# Altium PCB DeejWithKeypad.PcbDoc
Units mm, origin at the board's own origin, x right, y up, seen from the top; angles counter-clockwise.
Board outline 187.4 x 94.4 mm, 2 copper layers (Top Layer, Bottom Layer), stack 1.58 mm thick; 117 components, 85 nets, 411 pads, 108 vias.
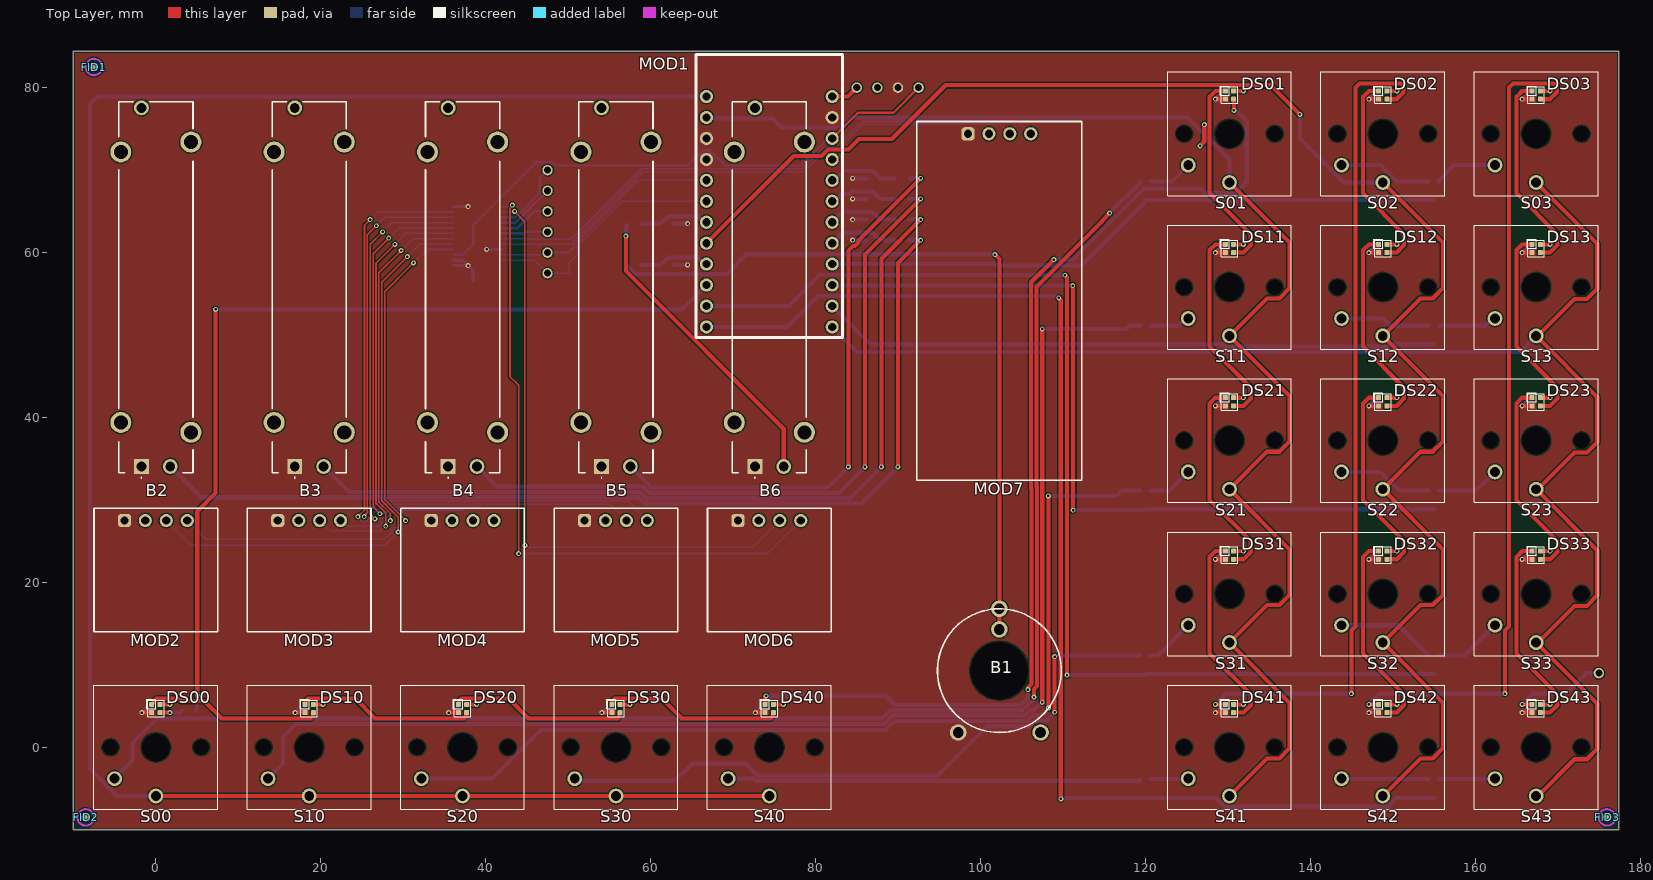
[diagram p0: Top Layer view]
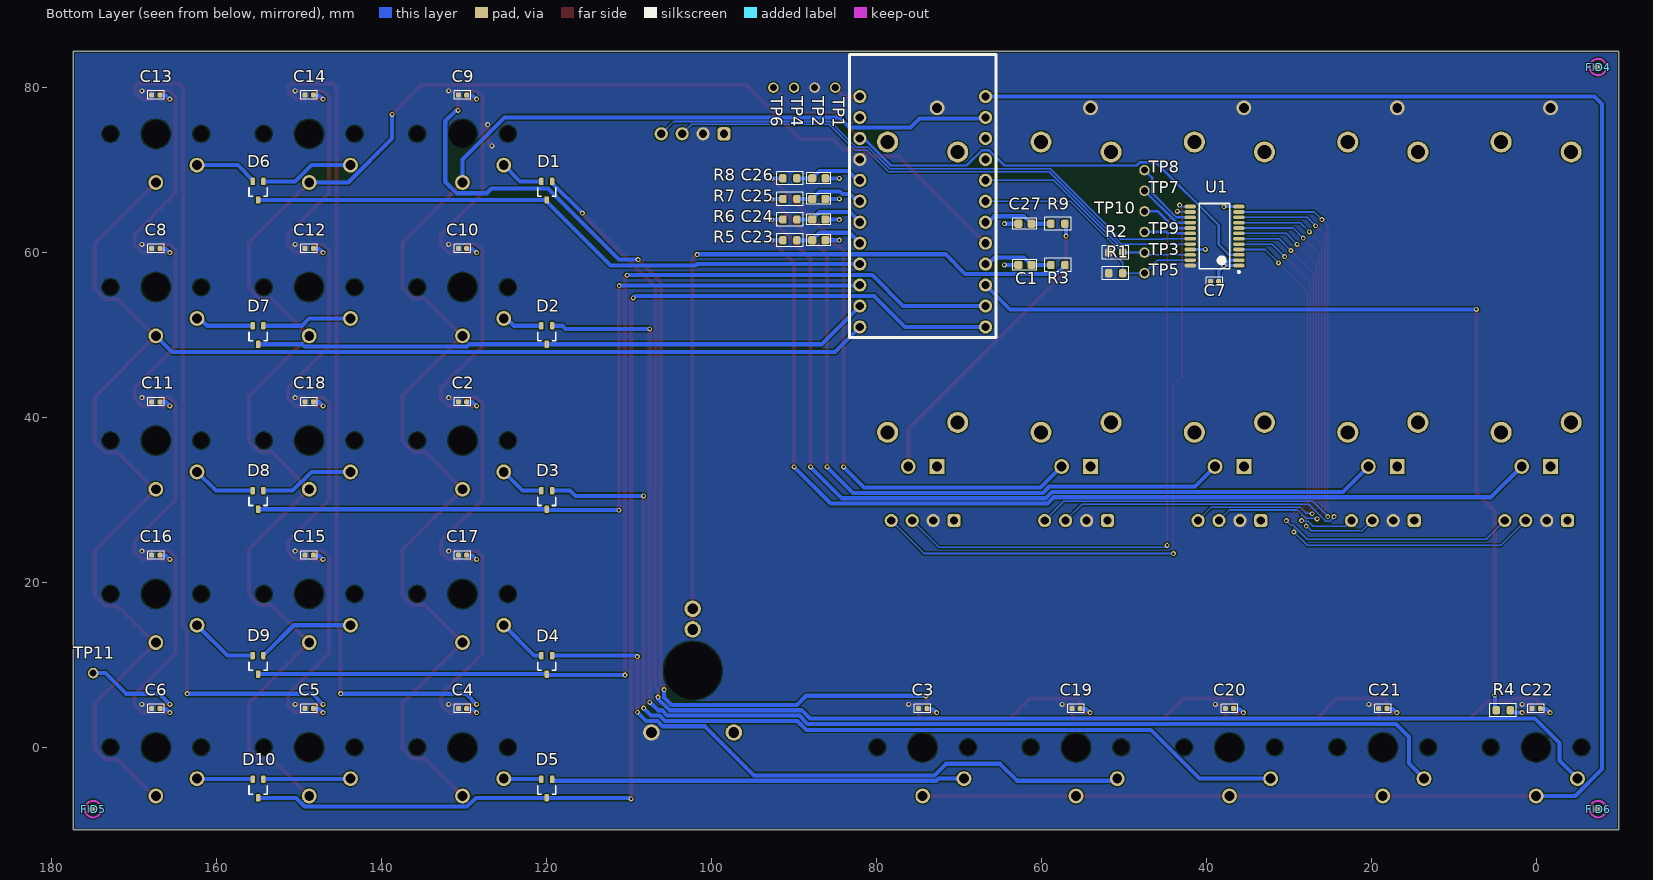
[diagram p1: Bottom Layer view, seen from below]
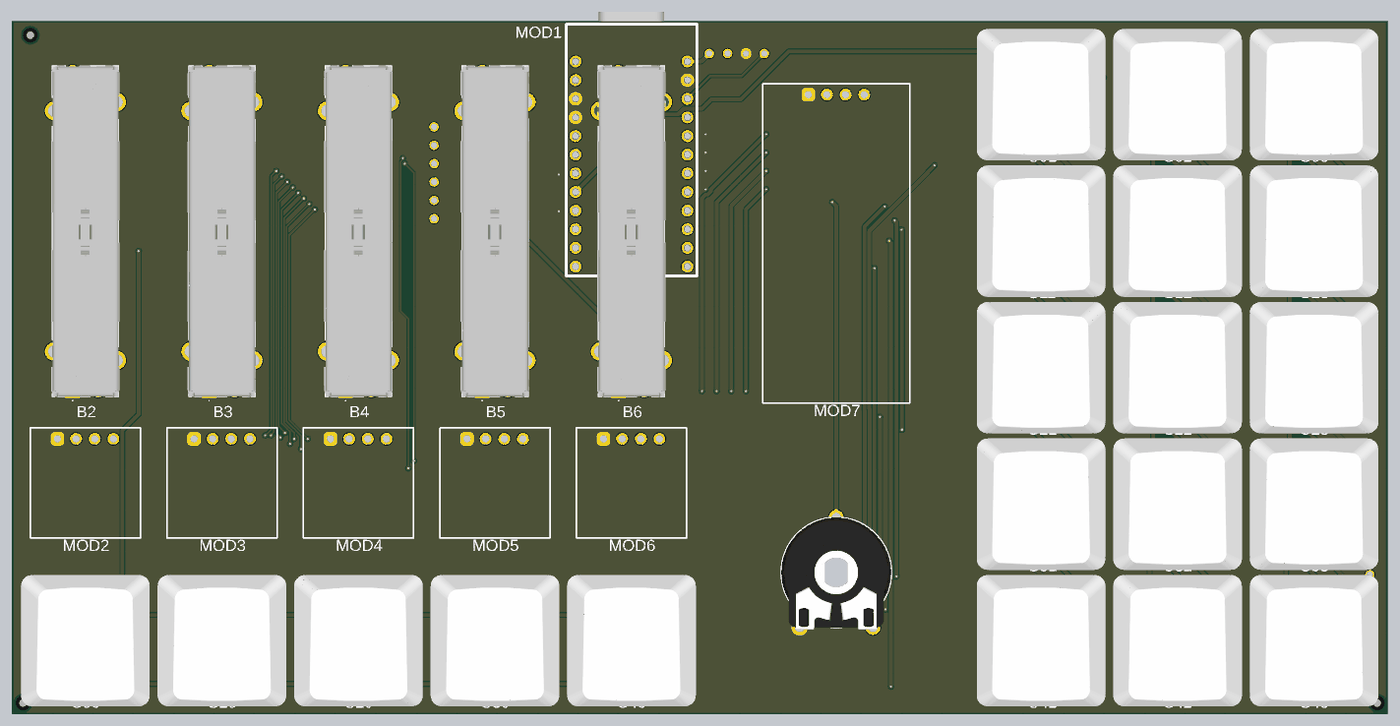
[diagram p2: 3D render of the assembled board from above, using the file's embedded part models]
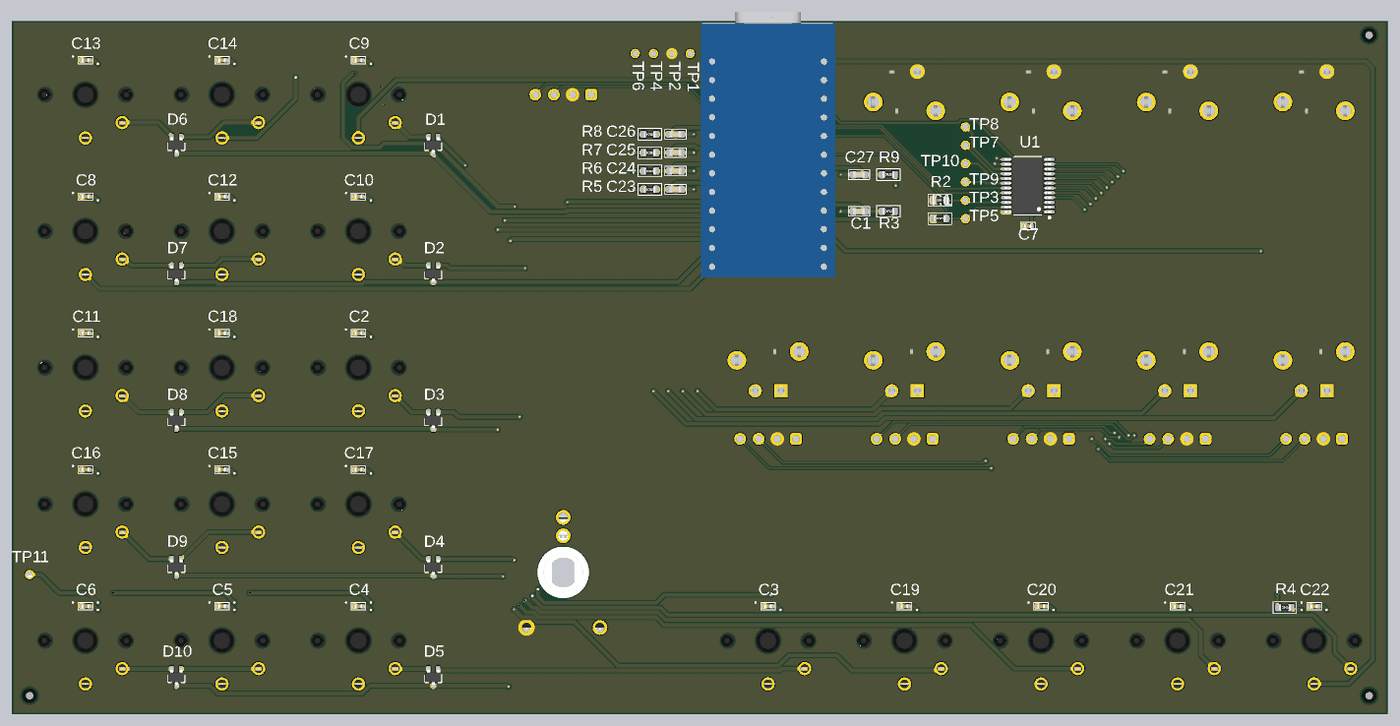
[diagram p3: 3D render of the assembled board from below, using the file's embedded part models]

## Layer stack, top to bottom
Top Solder: solder mask 0.01, Solder Resist, Dk 3.5
Top Layer: signal copper 0.035
Dielectric 2: dielectric 1.51, FR-4, Dk 4.8
Bottom Layer: signal copper 0.035
Bottom Solder: solder mask 0.01, Solder Resist, Dk 3.5

## Board outline
-10,-10 -10,84.4 177.4,84.4 177.4,-10

## Design rules (kind name [scope] priority, off if disabled: settings)
BoardOutlineClearance [All] p1: gap=0.2 ignorepadtopadclearanceinfootprint=FALSE
Clearance [All] p1: gap=0.15 ignorepadtopadclearanceinfootprint=FALSE
DiffPairsRouting [All] p1: maxlimit=0.22 minlimit=0.22 mostfreqgap=0.22 toplayer_minwidth=0.28 toplayer_maxwidth=0.28 toplayer_prefwidth=0.28 bottomlayer_minwidth=0.28 bottomlayer_maxwidth=0.28 bottomlayer_prefwidth=0.28 maxuncoupledlength=12.7
PolygonConnect [All] p1: connectstyle=Direct reliefconductorwidth=0.254 reliefentries=4 polygonreliefangle="90 Angle" airgapwidth=0.254
RoutingVias [All] p1: holewidth=0.3 width=0.6 viastyle="Through Hole" minholewidth=0.3 minwidth=0.6 maxholewidth=0.3 maxwidth=0.6
SolderMaskExpansion [All] p1: expansion=0.102 istentingtop=FALSE
Width [All] p1: maxlimit=2.5 minlimit=0.15 preferedwidth=0.3 minimp=50.000000 maximp=50.000000 favimp=50.000000
29 further rules are at their usual default settings.

## Components (designator, comment, footprint, x,y, rotation, side; value= is the part's Value field where it differs from the comment)
B1 "Potentiometer" PT15NVXX 102.3,9.3 r0 top locked
B2 "Potentiometer" PTA30432010CIB104 0,55.8 r90 top locked
B3 "Potentiometer" PTA30432010CIB104 18.6,55.8 r90 top locked
B4 "Potentiometer" PTA30432010CIB104 37.2,55.8 r90 top locked
B5 "Potentiometer" PTA30432010CIB104 55.8,55.8 r90 top locked
B6 "Potentiometer" PTA30432010CIB104 74.4,55.8 r90 top locked
C1 "Capacitor_Ceramic" CAPC1608N 62,58.5 r180 bottom value=1uF
C2 "Capacitor_Ceramic" CAPC1005L 130.2,41.9 r180 bottom value=0.1uF
C3 "Capacitor_Ceramic" CAPC1005L 74.4,4.7 r0 bottom value=0.1uF
C4 "Capacitor_Ceramic" CAPC1005L 130.2,4.7 r0 bottom value=0.1uF
C5 "Capacitor_Ceramic" CAPC1005L 148.8,4.7 r0 bottom value=0.1uF
C6 "Capacitor_Ceramic" CAPC1005L 167.4,4.7 r0 bottom value=0.1uF
C7 "Capacitor_Ceramic" CAPC1005L 39,56.5 r0 bottom value=0.1uF
C8 "Capacitor_Ceramic" CAPC1005L 167.4,60.5 r0 bottom value=0.1uF
C9 "Capacitor_Ceramic" CAPC1005L 130.2,79.1 r0 bottom value=0.1uF
C10 "Capacitor_Ceramic" CAPC1005L 130.2,60.5 r0 bottom value=0.1uF
C11 "Capacitor_Ceramic" CAPC1005L 167.4,41.9 r0 bottom value=0.1uF
C12 "Capacitor_Ceramic" CAPC1005L 148.8,60.5 r0 bottom value=0.1uF
C13 "Capacitor_Ceramic" CAPC1005L 167.4,79.1 r0 bottom value=0.1uF
C14 "Capacitor_Ceramic" CAPC1005L 148.8,79.1 r0 bottom value=0.1uF
C15 "Capacitor_Ceramic" CAPC1005L 148.8,23.3 r0 bottom value=0.1uF
C16 "Capacitor_Ceramic" CAPC1005L 167.4,23.3 r0 bottom value=0.1uF
C17 "Capacitor_Ceramic" CAPC1005L 130.2,23.3 r0 bottom value=0.1uF
C18 "Capacitor_Ceramic" CAPC1005L 148.8,41.9 r0 bottom value=0.1uF
C19 "Capacitor_Ceramic" CAPC1005L 55.8,4.7 r0 bottom value=0.1uF
C20 "Capacitor_Ceramic" CAPC1005L 37.2,4.7 r0 bottom value=0.1uF
C21 "Capacitor_Ceramic" CAPC1005L 18.6,4.7 r0 bottom value=0.1uF
C22 "Capacitor_Ceramic" CAPC1005L 0,4.7 r0 bottom value=0.1uF
C23 "Capacitor_Ceramic" CAPC1608N 87,61.5 r0 bottom value=1uF
C24 "Capacitor_Ceramic" CAPC1608N 87,64 r0 bottom value=1uF
C25 "Capacitor_Ceramic" CAPC1608N 87,66.5 r0 bottom value=1uF
C26 "Capacitor_Ceramic" CAPC1608N 87,69 r0 bottom value=1uF
C27 "Capacitor_Ceramic" CAPC1608N 62,63.5 r180 bottom value=1uF
D1 "Diode_Standard_CC" DIODE_CC_SOT323 120,67.5 r270 bottom
D2 "Diode_Standard_CC" DIODE_CC_SOT323 120,50 r270 bottom
D3 "Diode_Standard_CC" DIODE_CC_SOT323 120,30 r270 bottom
D4 "Diode_Standard_CC" DIODE_CC_SOT323 120,10 r270 bottom
D5 "Diode_Standard_CC" DIODE_CC_SOT323 120,-5 r270 bottom
D6 "Diode_Standard_CC" DIODE_CC_SOT323 155,67.5 r270 bottom
D7 "Diode_Standard_CC" DIODE_CC_SOT323 155,50 r270 bottom
D8 "Diode_Standard_CC" DIODE_CC_SOT323 155,30 r270 bottom
D9 "Diode_Standard_CC" DIODE_CC_SOT323 155,10 r270 bottom
D10 "Diode_Standard_CC" DIODE_CC_SOT323 155,-5 r270 bottom
DS00 "IN-PI15TAT5R5G5B" IN-PI15TAT5R5G5B 0,4.7 r90 top locked
DS01 "IN-PI15TAT5R5G5B" IN-PI15TAT5R5G5B 130.2,79.1 r90 top locked
DS02 "IN-PI15TAT5R5G5B" IN-PI15TAT5R5G5B 148.8,79.1 r90 top locked
DS03 "IN-PI15TAT5R5G5B" IN-PI15TAT5R5G5B 167.4,79.1 r90 top locked
DS10 "IN-PI15TAT5R5G5B" IN-PI15TAT5R5G5B 18.6,4.7 r90 top locked
DS11 "IN-PI15TAT5R5G5B" IN-PI15TAT5R5G5B 130.2,60.5 r90 top locked
DS12 "IN-PI15TAT5R5G5B" IN-PI15TAT5R5G5B 148.8,60.5 r90 top locked
DS13 "IN-PI15TAT5R5G5B" IN-PI15TAT5R5G5B 167.4,60.5 r90 top locked
DS20 "IN-PI15TAT5R5G5B" IN-PI15TAT5R5G5B 37.2,4.7 r90 top locked
DS21 "IN-PI15TAT5R5G5B" IN-PI15TAT5R5G5B 130.2,41.9 r90 top locked
DS22 "IN-PI15TAT5R5G5B" IN-PI15TAT5R5G5B 148.8,41.9 r90 top locked
DS23 "IN-PI15TAT5R5G5B" IN-PI15TAT5R5G5B 167.4,41.9 r90 top locked
DS30 "IN-PI15TAT5R5G5B" IN-PI15TAT5R5G5B 55.8,4.7 r90 top locked
DS31 "IN-PI15TAT5R5G5B" IN-PI15TAT5R5G5B 130.2,23.3 r90 top locked
DS32 "IN-PI15TAT5R5G5B" IN-PI15TAT5R5G5B 148.8,23.3 r90 top locked
DS33 "IN-PI15TAT5R5G5B" IN-PI15TAT5R5G5B 167.4,23.3 r90 top locked
DS40 "IN-PI15TAT5R5G5B" IN-PI15TAT5R5G5B 74.4,4.7 r90 top locked
DS41 "IN-PI15TAT5R5G5B" IN-PI15TAT5R5G5B 130.2,4.7 r90 top locked
DS42 "IN-PI15TAT5R5G5B" IN-PI15TAT5R5G5B 148.8,4.7 r90 top locked
DS43 "IN-PI15TAT5R5G5B" IN-PI15TAT5R5G5B 167.4,4.7 r90 top locked
FID1 "FIDUCIAL" FIDUCIAL_1mm -7.5,82.5 r90 top
FID2 "FIDUCIAL" FIDUCIAL_1mm -8.5,-8.5 r90 top
FID3 "FIDUCIAL" FIDUCIAL_1mm 176,-8.5 r90 top
FID4 "FIDUCIAL" FIDUCIAL_1mm -7.5,82.5 r90 bottom
FID5 "FIDUCIAL" FIDUCIAL_1mm 175,-7.5 r90 bottom
FID6 "FIDUCIAL" FIDUCIAL_1mm -7.5,-7.5 r90 bottom
MOD1 "PRO_MICRO" PRO_MICRO 74.4,84 r270 top locked
MOD2 "OLED_0.49" OLED_0.49 0,27.5 r0 top locked
MOD3 "OLED_0.49" OLED_0.49 18.6,27.5 r0 top locked
MOD4 "OLED_0.49" OLED_0.49 37.2,27.5 r0 top locked
MOD5 "OLED_0.49" OLED_0.49 55.8,27.5 r0 top locked
MOD6 "OLED_0.49" OLED_0.49 74.4,27.5 r0 top locked
MOD7 "OLED_0.49" OLED_1.30 102.3,74.4 r0 top locked
R1 "Resistor" RESC1608N 51,57.5 r180 bottom value=2.2kΩ
R2 "Resistor" RESC1608N 51,60 r180 bottom value=2.2kΩ
R3 "Resistor" RESC1608N 58,58.5 r180 bottom value=1kΩ
R4 "Resistor" RESC1608N 4,4.5 r180 bottom value=100Ω
R5 "Resistor" RESC1608N 90.5,61.5 r0 bottom value=1kΩ
R6 "Resistor" RESC1608N 90.5,64 r0 bottom value=1kΩ
R7 "Resistor" RESC1608N 90.5,66.5 r0 bottom value=1kΩ
R8 "Resistor" RESC1608N 90.5,69 r0 bottom value=1kΩ
R9 "Resistor" RESC1608N 58,63.5 r180 bottom value=1kΩ
S00 "KeyLP" Keyswitch 0,0 r0 top locked
S01 "KeyLP" Keyswitch 130.2,74.4 r0 top locked
S02 "KeyLP" Keyswitch 148.8,74.4 r0 top locked
S03 "KeyLP" Keyswitch 167.4,74.4 r0 top locked
S10 "KeyLP" Keyswitch 18.6,0 r0 top locked
S11 "KeyLP" Keyswitch 130.2,55.8 r0 top locked
S12 "KeyLP" Keyswitch 148.8,55.8 r0 top locked
S13 "KeyLP" Keyswitch 167.4,55.8 r0 top locked
S20 "KeyLP" Keyswitch 37.2,0 r0 top locked
S21 "KeyLP" Keyswitch 130.2,37.2 r0 top locked
S22 "KeyLP" Keyswitch 148.8,37.2 r0 top locked
S23 "KeyLP" Keyswitch 167.4,37.2 r0 top locked
S30 "KeyLP" Keyswitch 55.8,0 r0 top locked
S31 "KeyLP" Keyswitch 130.2,18.6 r0 top locked
S32 "KeyLP" Keyswitch 148.8,18.6 r0 top locked
S33 "KeyLP" Keyswitch 167.4,18.6 r0 top locked
S40 "KeyLP" Keyswitch 74.4,0 r0 top locked
S41 "KeyLP" Keyswitch 130.2,0 r0 top locked
S42 "KeyLP" Keyswitch 148.8,0 r0 top locked
S43 "KeyLP" Keyswitch 167.4,0 r0 top locked
TP1 "Standard (NO BOM) fooprints, SMD and TH" "Testpoint - Thruhole" 85,80 r90 bottom
TP2 "Standard (NO BOM) fooprints, SMD and TH" "Testpoint - Thruhole" 87.5,80 r90 bottom
TP3 "Standard (NO BOM) fooprints, SMD and TH" "Testpoint - Thruhole" 47.5,60 r90 bottom
TP4 "Standard (NO BOM) fooprints, SMD and TH" "Testpoint - Thruhole" 90,80 r90 bottom
TP5 "Standard (NO BOM) fooprints, SMD and TH" "Testpoint - Thruhole" 47.5,57.5 r90 bottom
TP6 "Standard (NO BOM) fooprints, SMD and TH" "Testpoint - Thruhole" 92.5,80 r90 bottom
TP7 "Standard (NO BOM) fooprints, SMD and TH" "Testpoint - Thruhole" 47.5,67.5 r90 bottom
TP8 "Standard (NO BOM) fooprints, SMD and TH" "Testpoint - Thruhole" 47.5,70 r90 bottom
TP9 "Standard (NO BOM) fooprints, SMD and TH" "Testpoint - Thruhole" 47.5,62.5 r90 bottom
TP10 "Standard (NO BOM) fooprints, SMD and TH" "Testpoint - Thruhole" 47.5,65 r90 bottom
TP11 "Standard (NO BOM) fooprints, SMD and TH" "Testpoint - Thruhole" 175,9 r90 bottom
U1 "TCA9548A" TSOP65P640X120-24N 39,62 r0 bottom

## Footprints (in the part's own frame and the unit in brackets; to place one, negate y for a bottom-side part, rotate by r counter-clockwise, add the part's x,y. Pads: shape width x height; smd on the part's side, far side on the other; paste and mask are expansions set on the pad)
CAPC1005L [mm] "Chip Capacitor, Body 1.0x0.5mm, IPC High Density"
  rrect50% 0.6x0.6 smd: 1(-0.5,0) 2(0.5,0)
  silkscreen extent -1,-0.5 1,0.5, body extent -0.5,-0.25 0.5,0.25, height 0.51
CAPC1608N [mm] "Chip Capacitor, Body 1.6x0.8mm, IPC Medium Density"
  rrect50% 1x1 smd: 1(-0.8,0) 2(0.8,0)
  silkscreen extent -1.45,-0.65 1.45,0.65, body extent -0.8,-0.4 0.8,0.4, height 0.81
DIODE_CC_SOT323 [mm] "SOT23, 3-Leads, Body 2.00x2.20mm, Pitch 0.65mm, IPC Medium Density"
  rrect50% 0.9x0.55 smd: A1(-1.125,0.65) A2(-1.125,-0.65) K(1.125,0)
  silkscreen extent -0.32,-1.1 0.67,1.1, body extent -1.2,-1.1 1.2,1.1, height 1
FIDUCIAL_1mm [mm]
  round 1 smd paste+0 mask+0.5: 0(0,0)
  Top Layer keep-out circle w0.254: c0,0 r1
IN-PI15TAT5R5G5B [mm]
  rrect25% 0.6x0.6 smd: 1(-0.5,-0.5) 2(0.5,-0.5) 3(0.5,0.5) 4(-0.5,0.5)
  silkscreen extent -1,-1 1.1,1.1, body extent -0.75,-0.75 0.75,0.75, height 0.65
Keyswitch [mm]
  round 0 hole 1.9 unplated: 0(-5.5,0) 0(5.5,0)
  round 0 hole 3.4 unplated: 0(0,0)
  round 1.8 hole 1.2: 1(-5,-3.8) 2(0,-5.9)
  silkscreen extent -7.5,-7.5 7.5,7.5, body extent -8.76,-8.95 8.77,8.95, height 10.24
OLED_0.49 [mm]
  rrect50% 1.6x1.6 hole 1: 1(-3.81,0)
  round 1.6 hole 1: 2(-1.27,0) 3(1.27,0) 4(3.81,0)
  silkscreen extent -7.5,-13.5 7.5,1.5
OLED_1.30 [mm]
  rrect50% 1.6x1.6 hole 1: 1(-3.81,0)
  round 1.6 hole 1: 2(-1.27,0) 3(1.27,0) 4(3.81,0)
  silkscreen extent -10,-42 10,1.5
PRO_MICRO [mm]
  round 1.6 hole 1: 1(5.08,-7.62) 2(7.62,-7.62) 3(10.16,-7.62) 4(12.7,-7.62) 5(15.24,-7.62) 6(17.78,-7.62) 7(20.32,-7.62) 8(22.86,-7.62) 9(25.4,-7.62) 10(27.94,-7.62) 11(30.48,-7.62) 12(33.02,-7.62) 13(33.02,7.62) 14(30.48,7.62) 15(27.94,7.62) 16(25.4,7.62) 17(22.86,7.62) 18(20.32,7.62) 19(17.78,7.62) 20(15.24,7.62) 21(12.7,7.62) 22(10.16,7.62) 23(7.62,7.62) 24(5.08,7.62)
  silkscreen extent 0,-8.89 34.29,8.89, body extent -1.67,-9.15 34.53,9.15
PT15NVXX [mm]
  round 0 hole 7 unplated: 0(0,0)
  round 2 hole 1.3: 1(-5,-7.5) 2(0,5) 2(0,7.5) 3(5,-7.5)
  silkscreen extent -7.5,-7.5 7.5,7.5, body extent -7.5,-7.8 7.5,7.5, height 7.01
PTA30432010CIB104 [mm]
  round 2.55 hole 1.7: 0(-17.6,-4.25) 0(-16.4,4.25) 0(16.4,4.25) 0(17.6,-4.25)
  rect 1.8x1.8 hole 1.2: 1(-21.75,1.75)
  round 1.8 hole 1.2: 2(-21.75,-1.75) 3(21.75,1.75)
  silkscreen extent -23.15,-4.5 22.5,4.5, body extent -22.62,-4.62 22.58,4.68, height 16.51
RESC1608N [mm] "Chip Resistor, Body 1.6x0.8mm, IPC Medium Density"
  rrect50% 0.9x1 smd: 1(-0.85,0) 2(0.85,0)
  silkscreen extent -1.6,-0.8 1.6,0.8, body extent -0.8,-0.4 0.84,0.45, height 0.46
"Testpoint - Thruhole" [mil]
  round 50 hole 34: 1(0,0)
  body extent -25,-25 25,25
TSOP65P640X120-24N [mm] "TSOP, 24-Leads, Body 7.80x4.40mm, Pitch 0.65mm, IPC Medium Density"
  oval 1.4x0.45 smd: 1(-2.95,3.575) 2(-2.95,2.925) 3(-2.95,2.275) 4(-2.95,1.625) 5(-2.95,0.975) 6(-2.95,0.325) 7(-2.95,-0.325) 8(-2.95,-0.975) 9(-2.95,-1.625) 10(-2.95,-2.275) 11(-2.95,-2.925) 12(-2.95,-3.575) 13(2.95,-3.575) 14(2.95,-2.925) 15(2.95,-2.275) 16(2.95,-1.625) 17(2.95,-0.975) 18(2.95,-0.325) 19(2.95,0.325) 20(2.95,0.975) 21(2.95,1.625) 22(2.95,2.275) 23(2.95,2.925) 24(2.95,3.575)
  silkscreen extent -3.07,-3.95 1.85,4.47, body extent -3.2,-3.95 3.2,3.95, height 1.2

## Part data
B1 B2 B3 B4 B5 B6: library part PT10MH01-103A2020-S, "POT 10K OHM LINEAR", Part Number=PT10MH01-103A2020-S, Type=Standard
C1 C23 C24 C25 C26 C27: library part CC0603JRX7R6BB105, "CAP CER 1UF 10V X7R 0603", Case/Package=0603, Manufacturer 1=Yageo, Supplier Part Number 1=311-3484-1-ND, Voltage=10V, Manufacturer Part Number 1=CC0603JRX7R6BB105, Part Number=CC0603JRX7R6BB105, Supplier 1=Digi-Key
C2 C3 C4 C5 C6 C7 C8 C9 C10 C11 C12 C13 C14 C15 C16 C17 C18 C19 C20 C21 C22: library part CC0402KRX7R7BB104, "CAP CER 0.1UF 16V X7R 0402", Case/Package=0402, Manufacturer 1=Yageo, Supplier Part Number 1=311-1338-1-ND, Voltage=16V, Manufacturer Part Number 1=CC0402KRX7R7BB104, Part Number=CC0402KRX7R7BB104
D1 D2 D3 D4 D5 D6 D7 D8 D9 D10: library part BAV70WT1G, "DIODE ARRAY GP 100V 200MA SC70-3", Case/Package=SOT-323, Manufacturer 1="ON Semiconductor", Supplier Part Number 1=BAV70WT1GOSCT-ND, Part Number=BAV70WT1G, Supplier 1=Digi-Key
DS00 DS01 DS02 DS03 DS10 DS11 DS12 DS13 DS20 DS21 DS22 DS23 DS30 DS31 DS32 DS33 DS40 DS41 DS42 DS43: "Addressable Lighting - 1 LED Discrete Red, Green, Blue (RGB) 1.50mm L x 1.50mm W", Manufacturer=Inolux, Supplier Part Number 1=1830-IN-PI15TAT5R5G5BCT-ND, Part Number=IN-PI15TAT5R5G5B, PCB Footprint=1515, RoHS=Yes, Supplier 1=Digikey, Unit=EA
FID1 FID2 FID3 FID4 FID5 FID6: "1MM Fiducial"
R1 R2: library part RES0603F2K20, "Resistor, 2.2kΩ, 1%, 0.1W, 0603", Case/Package=0603, Manufacturer 1=Yageo, Manufacturer Part Number 1=RC0603FR-072K2L, Part Number=RES0603F2K20
R3 R5 R6 R7 R8 R9: library part RES0603F1K00, "Resistor, 1kΩ, 1%, 0.1W, 0603", Case/Package=0603, Manufacturer 1=Yageo, Manufacturer Part Number 1=RC0603FR-071KL, Part Number=RES0603F1K00
R4: library part RES0603F100R, "Resistor, 100Ω, 1%, 0.1W, 0603", Case/Package=0603, Manufacturer 1=Yageo, Manufacturer Part Number 1=RC0603FR-07100RL, Part Number=RES0603F100R
S00 S01 S02 S03 S10 S11 S12 S13 S20 S21 S22 S23 S30 S31 S32 S33 S40 S41 S42 S43: library part "Switch - Solder Bridge", Part Number="Switch - Solder Bridge", Type="Standard (No BOM)"
TP1 TP2 TP3 TP4 TP5 TP6 TP7 TP8 TP9 TP10 TP11: library part "TP - Off Wire - All Footprints Added", Part Number="TP - Off Wire - All Footprints Added", Type="Standard (No BOM)"

## Via types
v1: diameter 0.6, hole 0.3, Top Layer to Bottom Layer, tented both sides, 108 vias

## Nets (pads, with @x,y where several pads share a name; then routed paths per layer and width w, separated by ;. In a path a pad name is that pad's centre, name@x,y a point inside that pad or via, vN(x,y) a via of type N, cw(c..) or ccw(c..) an arc to the next point about the centre after c; other vN are vias at no path point)
+5V0: B1.3 B2.3 B3.3 B4.3 B5.3 B6.3 C2.1 C3.2 C4.2 C5.2 C6.2 C7.2 C8.2 C9.2 C10.2 C11.2 C12.2 C13.2 C14.2 C15.2 C16.2 C17.2 C18.2 C19.2 C20.2 C21.2 C22.2 DS00.2 DS01.2 DS02.2 DS03.2 DS10.2 DS11.2 DS12.2 DS13.2 DS20.2 DS21.2 DS22.2 DS23.2 DS30.2 DS31.2 DS32.2 DS33.2 DS40.2 DS41.2 DS42.2 DS43.2 MOD1.21 MOD2.2 MOD3.2 MOD4.2 MOD5.2 MOD6.2 MOD7.2 R1.1 R2.1 TP2.1 U1.24 | length 26.8
  Top Layer w0.5: DS00.2 v1(1.7,5.2) ; DS10.2 v1(20.3,5.2) ; DS20.2 v1(38.9,5.2) ; DS30.2 v1(57.5,5.2) ; DS40.2 v1(76.1,5.2) ; v1(126.65,72.95) 127.15,73.45 v1(127.15,75.525) ; DS41.2 v1(131.9,5.2) ; DS31.2 v1(131.9,23.8) ; DS21.2 v1(131.9,42.4) ; DS11.2 v1(131.9,61) ; DS01.2 v1(131.9,79.6) ; DS42.2 v1(150.5,5.2) ; DS32.2 v1(150.5,23.8) ; DS22.2 v1(150.5,42.4) ; DS12.2 v1(150.5,61) ; DS02.2 v1(150.5,79.6) ; DS43.2 v1(169.1,5.2) ; DS33.2 v1(169.1,23.8) ; DS23.2 v1(169.1,42.4) ; DS13.2 v1(169.1,61) ; DS03.2 v1(169.1,79.6)
COL0: MOD1.1 S00.2 S10.2 S20.2 S30.2 S40.2 | length 239.6
  Top Layer w0.5: S00.2 S10.2 S20.2 S30.2 S40.2
  Bottom Layer w0.5: S00.2 -4.738,-5.9 -8,-2.638 -8,78 -7.08,78.92 MOD1.1
COL1: MOD1.2 S01.2 S11.2 S21.2 S31.2 S41.2 | length 171.5
  Top Layer w0.5: S41.2 134.75,-1.35 136.259,-1.35 137.5,-0.109 137.5,5.4 S31.2 134.75,17.25 136.259,17.25 137.5,18.491 137.5,24 S21.2 134.75,35.85 136.259,35.85 137.5,37.091 137.5,42.6 S11.2 134.75,54.45 136.259,54.45 137.5,55.691 137.5,61.2 S01.2
  Bottom Layer w0.5: MOD1.2 66.91,76.25 74.796,76.25 75.866,75.18 83.273,75.18 84.493,76.4 125.1,76.4 130.2,71.3 S01.2
COL2: MOD1.8 S02.2 S12.2 S22.2 S32.2 S42.2 | length 198.7
  Top Layer w0.5: MOD1.8 77.365,71.725 80.748,71.725 81.523,72.5 84,72.5 85.25,73.75 89.25,73.75 95.8,80.3 135.2,80.3 v1(138.75,76.75) ; S42.2 153.35,-1.35 154.859,-1.35 156.1,-0.109 156.1,5.4 S32.2 153.35,17.25 154.859,17.25 156.1,18.491 156.1,24 S22.2 153.35,35.85 154.859,35.85 156.1,37.091 156.1,42.6 S12.2 153.35,54.45 154.859,54.45 156.1,55.691 156.1,61.2 S02.2
  Bottom Layer w0.5: v1(138.75,76.75) 138.75,73.812 144.062,68.5 S02.2
COL3: MOD1.13 S03.2 S13.2 S23.2 S33.2 S43.2 | length 189.6
  Top Layer w0.5: S43.2@167.5,-6 172.05,-1.45 173.559,-1.45 174.8,-0.209 174.8,5.3 167.5,12.6 172.05,17.15 173.559,17.15 174.8,18.391 174.8,23.9 167.5,31.2 172.05,35.75 173.559,35.75 174.8,36.991 174.8,42.5 167.5,49.8 172.05,54.35 173.559,54.35 174.8,55.591 174.8,61.1 S03.2@167.5,68.4
  Bottom Layer w0.5: MOD1.13 85.05,47.95 165.45,47.95 S13.2
GND: B1.1 B2.1 B3.1 B4.1 B5.1 B6.1 C1.1 C2.2 C3.1 C4.1 C5.1 C6.1 C7.1 C8.1 C9.1 C10.1 C11.1 C12.1 C13.1 C14.1 C15.1 C16.1 C17.1 C18.1 C19.1 C20.1 C21.1 C22.1 C23.1 C24.1 C25.1 C26.1 C27.1 DS00.4 DS01.4 DS02.4 DS03.4 DS10.4 DS11.4 DS12.4 DS13.4 DS20.4 DS21.4 DS22.4 DS23.4 DS30.4 DS31.4 DS32.4 DS33.4 DS40.4 DS41.4 DS42.4 DS43.4 MOD1.3 MOD1.4 MOD1.23 MOD2.1 MOD3.1 MOD4.1 MOD5.1 MOD6.1 MOD7.1 TP4.1 U1.1 U1.2 U1.12 U1.21 | length 72.1
  Top Layer w0.5: v1(-1.7,4.2) DS00.4 ; v1(16.9,4.2) DS10.4 ; v1(35.5,4.2) DS20.4 ; v1(54.1,4.2) DS30.4 ; v1(72.7,4.2) DS40.4 ; v1(128.5,4.2) DS41.4 ; v1(128.5,22.8) DS31.4 ; v1(128.5,41.4) DS21.4 ; v1(128.5,60) DS11.4 ; v1(128.5,78.6) DS01.4 ; v1(147.1,4.2) DS42.4 ; v1(147.1,22.8) DS32.4 ; v1(147.1,41.4) DS22.4 ; v1(147.1,60) DS12.4 ; v1(147.1,78.6) DS02.4 ; v1(165.7,4.2) DS43.4 ; v1(165.7,22.8) DS33.4 ; v1(165.7,41.4) DS23.4 ; v1(165.7,60) DS13.4 ; v1(165.7,78.6) DS03.4
  Bottom Layer w0.4: U1.1 v1(37.875,58.425) ; U1.2 37.225,59.075 v1(37.875,58.425) ; U1.12 v1(37.875,65.575) ; C7.1 38.5,57.777 37.875,58.402 v1(37.875,58.425) ; v1(40.125,60.375) U1.21
  Bottom Layer w0.5: v1(-1.7,4.2) -1.673,4.2 -1.223,4.65 -0.55,4.65 C22.1 ; v1(16.9,4.2) 16.927,4.2 17.377,4.65 18.05,4.65 C21.1 ; v1(35.5,4.2) 35.527,4.2 35.977,4.65 36.65,4.65 C20.1 ; v1(54.1,4.2) 54.127,4.2 54.577,4.65 55.25,4.65 C19.1 ; C1.1 v1(64.5,58.5) ; C27.1 v1(64.5,63.5) ; v1(72.7,4.2) 72.727,4.2 73.177,4.65 73.85,4.65 C3.1 ; v1(84.5,61.5) C23.1 ; v1(84.5,64) C24.1 ; v1(84.5,66.5) C25.1 ; v1(84.5,69) C26.1 ; v1(128.5,4.2) 128.527,4.2 128.977,4.65 129.65,4.65 C4.1 ; v1(128.5,22.8) 128.527,22.8 128.977,23.25 129.65,23.25 C17.1 ; v1(128.5,41.4) 128.527,41.4 128.977,41.85 129.65,41.85 C2.2 ; v1(128.5,60) 128.527,60 128.977,60.45 129.65,60.45 C10.1 ; v1(128.5,78.6) 128.527,78.6 128.977,79.05 129.65,79.05 C9.1 ; v1(147.1,4.2) 147.127,4.2 147.577,4.65 148.25,4.65 C5.1 ; v1(147.1,22.8) 147.127,22.8 147.577,23.25 148.25,23.25 C15.1 ; v1(147.1,41.4) 147.127,41.4 147.577,41.85 148.25,41.85 C18.1 ; v1(147.1,60) 147.127,60 147.577,60.45 148.25,60.45 C12.1 ; v1(147.1,78.6) 147.127,78.6 147.577,79.05 148.25,79.05 C14.1 ; v1(165.7,4.2) 165.727,4.2 166.177,4.65 166.85,4.65 C6.1 ; v1(165.7,22.8) 165.727,22.8 166.177,23.25 166.85,23.25 C16.1 ; v1(165.7,41.4) 165.727,41.4 166.177,41.85 166.85,41.85 C11.1 ; v1(165.7,60) 165.727,60 166.177,60.45 166.85,60.45 C8.1 ; v1(165.7,78.6) 165.727,78.6 166.177,79.05 166.85,79.05 C13.1
I2C_SCL_5V0: MOD1.6 R1.2 TP5.1 U1.23 | length 30.5
  Bottom Layer w0.2: U1.23 45.925,59.075 TP5.1 R1.2 50.15,58.758 51.1,59.708 51.1,60.85 56.47,66.22 MOD1.6
I2C_SDA_5V0: MOD1.5 R2.2 TP3.1 U1.22 | length 28.8
  Bottom Layer w0.2: U1.22 46.99,59.725 47.265,60 TP3.1 R2.2 50.15,60.05 50.75,60.65 50.75,60.995 58.515,68.76 MOD1.5
LED_COL1: DS01.1 DS40.3 | length 126.7
  Top Layer w0.5: DS40.3 73.9,6.123 74,6.223 v1(74,6.25) ; v1(105.75,7) 105.769,7.019 105.769,7.254 106.2,7.685 106.2,31.313 106.15,31.363 106.15,56.4 v1(108.9,59.15) ; DS01.1 130.75,78.55 130.75,78.3 v1(130.75,77.25)
  Bottom Layer w0.5: v1(74,6.25) 88.546,6.25 89.646,5.15 104.85,5.15 105.75,6.05 v1(105.75,7) ; v1(108.9,59.15) 111.223,59.15 119.823,67.75 126.719,67.75 127.269,67.2 130.95,67.2 132.3,68.55 132.3,75.95 131,77.25 v1(130.75,77.25)
LED_COL2: DS02.1 DS41.3 | length 101.2
  Top Layer w0.5: v1(128.5,5.2) DS41.3 ; v1(145,6.5) 145,14.162 145.5,14.662 145.5,80 146,80.5 151,80.5 151.293,80.207 151.293,79.403 150.49,78.6 DS02.1
  Bottom Layer w0.5: v1(128.5,5.2) 129.8,6.5 v1(145,6.5)
LED_COL3: DS03.1 DS42.3 | length 101.2
  Top Layer w0.5: v1(147.1,5.2) DS42.3 ; v1(163.6,6.5) 163.6,14.162 164.1,14.662 164.1,80 164.6,80.5 169.6,80.5 169.893,80.207 169.893,79.403 169.09,78.6 DS03.1
  Bottom Layer w0.5: v1(147.1,5.2) 148.4,6.5 v1(163.6,6.5)
LED_DATA: MOD1.10 R4.1 | length 110.4
  Top Layer w0.5: v1(5.025,6.325) 5.025,28.614 7.25,30.839 v1(7.25,53.1)
  Bottom Layer w0.5: R4.1 5.006,4.656 5.006,6.306 v1(5.025,6.325) ; v1(7.25,53.1) 63.82,53.1 MOD1.10
NetB1_2: B1.2 R3.2 | length 91.8
  Top Layer w0.5: v1(101.75,59.75) 102.3,59.2 102.3,16.8 B1.2@102.3,14.3
  Bottom Layer w0.5: R3.2 57.15,58.45 58.2,57.4 69.25,57.4 71.65,59.8 101.673,59.8 101.723,59.75 v1(101.75,59.75)
NetB2_2: B2.2 R5.2 | length 122
  Top Layer w0.5: v1(90,34) 90,58.75 v1(92.75,61.5)
  Bottom Layer w0.5: B2.2 5.468,30.332 58.468,30.332 59.25,29.55 85.55,29.55 v1(90,34) ; R5.2 v1(92.75,61.5)
NetB3_2: B3.2 R6.2 | length 104.2
  Top Layer w0.5: v1(88,34) 88,59.25 v1(92.75,64)
  Bottom Layer w0.5: B3.2 23.418,30.982 58.737,30.982 59.519,30.2 84.2,30.2 v1(88,34) ; R6.2 v1(92.75,64)
NetB4_2: B4.2 R7.2 | length 86.4
  Top Layer w0.5: v1(86,34) 86,59.75 v1(92.75,66.5)
  Bottom Layer w0.5: B4.2 41.368,31.632 59.048,31.632 59.831,30.85 82.85,30.85 v1(86,34) ; R7.2 v1(92.75,66.5)
NetB5_2: B5.2 R8.2 | length 68.7
  Top Layer w0.5: v1(84,34) 84,60.25 84.55,60.8 84.79,60.8 85.2,61.21 85.2,61.45 v1(92.75,69)
  Bottom Layer w0.5: B5.2 60.1,31.5 81.5,31.5 v1(84,34) ; R8.2 v1(92.75,69)
NetB6_2: B6.2 R9.2 | length 37.3
  Top Layer w0.5: v1(57,62) 57,57.762 76.15,38.612 B6.2
  Bottom Layer w0.5: v1(57,62) 57.019,62.019 57.019,63.25 57.131,63.362 R9.2@57.162,63.362
NetD1_A1: D1.A1 S00.1 | length 184.9
  Top Layer w0.5: v1(106.5,6.1) 106.519,6.119 106.519,7.084 106.85,7.415 106.85,31.583 106.8,31.633 106.8,55.8 114.806,63.806 114.806,63.906 v1(115.675,64.775)
  Bottom Layer w0.5: S00.1 -2.811,-1.611 -2.811,0.539 0.15,3.5 88.075,3.5 89.075,4.5 105.119,4.5 106.481,5.862 106.481,6.081 v1(106.5,6.1) ; v1(115.675,64.775) 119.35,68.45 D1.A1
NetD1_A2: D1.A2 S01.1 | length 5.4
  Bottom Layer w0.5: D1.A2 123.225,68.625 S01.1
NetD2_A1: D2.A1 S10.1 | length 157
  Top Layer w0.5: v1(107.5,5.45) v1(107.5,50.75)
  Bottom Layer w0.5: S10.1 15.424,-1.976 15.424,1.274 17,2.85 88.344,2.85 89.344,3.85 105.388,3.85 106.038,4.5 106.5,4.5 v1@107.5,5.5 ; v1(107.5,50.75) 117.725,50.75 118.1,51.125 D2.A1
NetD2_A2: D2.A2 S11.1 | length 4.9
  Bottom Layer w0.5: D2.A2 123.973,51.125 124.848,52 S11.1
NetD3_A1: D3.A1 S20.1 | length 116.7
  Top Layer w0.5: v1(108.25,4.75) v1(108.25,30.5)
  Bottom Layer w0.5: S20.1 40.809,-3.8 46.709,2.1 88.513,2.1 89.613,3.2 105.658,3.2 106.308,3.85 107.35,3.85 v1(108.25,4.75) ; v1(108.25,30.5) 116.527,30.5 117.152,31.125 D3.A1
NetD3_A2: D3.A2 S21.1 | length 5.5
  Bottom Layer w0.5: D3.A2 122.925,31.125 S21.1
NetD4_A1: D4.A1 S30.1 | length 80
  Top Layer w0.5: v1(109,4.25) v1(109,11)
  Bottom Layer w0.5: S30.1 51.049,-4.049 52.13,-4.049 52.131,-4.05 62.95,-4.05 65,-2 71.592,-2 72.992,-3.4 94.85,-3.4 100.8,2.55 105.927,2.55 106.577,3.2 107.95,3.2 v1@108.981,4.231 ; v1(109,11) 109.027,11 109.152,11.125 D4.A1
NetD4_A2: D4.A2 S31.1 | length 6.1
  Bottom Layer w0.5: D4.A2 121.525,11.125 S31.1
NetD5_A1: D5.A1 S40.1 | length 50.2
  Bottom Layer w0.5: S40.1 72.472,-3.8 72.722,-4.05 119.325,-4.05 119.35,-4.025 D5.A1
NetD5_A2: D5.A2 S41.1 | length 4.6
  Bottom Layer w0.5: D5.A2 120.65,-3.863 120.675,-3.838 125.163,-3.838 S41.1
NetD6_A1: D6.A1 S02.1 | length 11.4
  Bottom Layer w0.5: S02.1 148.538,70.6 150.513,68.625 D6.A1
NetD6_A2: D6.A2 S03.1 | length 7.7
  Bottom Layer w0.5: D6.A2 155.65,68.8 157.45,70.6 S03.1
NetD7_A1: D7.A1 S12.1 | length 10.9
  Bottom Layer w0.5: S12.1 148.801,52 149.676,51.125 D7.A1
NetD7_A2: D7.A2 S13.1 | length 7.1
  Bottom Layer w0.5: D7.A2 161.173,51.125 162.048,52 S13.1
NetD8_A1: D8.A1 S22.1 | length 11.5
  Bottom Layer w0.5: S22.1 148.538,33.4 150.813,31.125 D8.A1
NetD8_A2: D8.A2 S23.1 | length 7.7
  Bottom Layer w0.5: D8.A2 160.125,31.125 S23.1
NetD9_A1: D9.A1 S32.1 | length 12.2
  Bottom Layer w0.5: S32.1 150.675,14.8 154.15,11.325 154.325,11.325 154.35,11.3 D9.A1
NetD9_A2: D9.A2 S33.1 | length 8.3
  Bottom Layer w0.5: D9.A2 158.725,11.125 S33.1
NetD10_A1: D10.A1 S42.1 | length 10.6
  Bottom Layer w0.5: S42.1 143.837,-3.838 154.325,-3.838 154.35,-3.863 D10.A1
NetD10_A2: D10.A2 S43.1 | length 6.8
  Bottom Layer w0.5: D10.A2 155.65,-3.863 155.675,-3.838 162.362,-3.838 S43.1
NetDS00_1: DS00.1 R4.2 | length 2.8
  Top Layer w0.5: DS00.1 v1(1.7,4.2)
  Bottom Layer w0.5: v1(1.7,4.2) 2.85,4.2 2.9,4.25 2.95,4.25 3.15,4.45 R4.2
NetDS00_3: DS00.3 DS10.1 | length 21.5
  Top Layer w0.5: DS00.3 -0.2,5.5 -0.2,5.622 0.078,5.9 2.839,5.9 3.114,5.625 5.875,5.625 8,3.5 18.757,3.5 19.05,3.793 19.05,4.15 DS10.1
NetDS01_3: DS01.3 DS11.1 | length 24.7
  Top Layer w0.5: DS01.3 128.51,79.6 127.8,78.89 127.8,67.2 132.793,62.207 132.793,60.903 131.89,60 DS11.1
NetDS02_3: DS02.3 DS12.1 | length 24.7
  Top Layer w0.5: DS02.3 147.11,79.6 146.4,78.89 146.4,67.2 151.393,62.207 151.393,60.903 150.49,60 DS12.1
NetDS03_3: DS03.3 DS13.1 | length 24.7
  Top Layer w0.5: DS03.3 165.71,79.6 165,78.89 165,67.2 169.993,62.207 169.993,60.903 169.09,60 DS13.1
NetDS10_3: DS10.3 DS20.1 | length 21.6
  Top Layer w0.5: DS10.3 18.15,5.25 18.15,5.607 18.443,5.9 24.2,5.9 26.6,3.5 37.357,3.5 37.65,3.793 37.65,4.15 DS20.1
NetDS11_3: DS11.3 DS21.1 | length 24.7
  Top Layer w0.5: DS11.3 128.51,61 127.8,60.29 127.8,48.6 132.793,43.607 132.793,42.303 131.89,41.4 DS21.1
NetDS12_3: DS12.3 DS22.1 | length 24.7
  Top Layer w0.5: DS12.3 147.11,61 146.4,60.29 146.4,48.6 151.393,43.607 151.393,42.303 150.49,41.4 DS22.1
NetDS13_3: DS13.3 DS23.1 | length 24.7
  Top Layer w0.5: DS13.3 165.71,61 165,60.29 165,48.6 169.993,43.607 169.993,42.303 169.09,41.4 DS23.1
NetDS20_3: DS20.3 DS30.1 | length 21.6
  Top Layer w0.5: DS20.3 36.75,5.25 36.75,5.607 37.043,5.9 42.8,5.9 45.2,3.5 55.957,3.5 56.25,3.793 56.25,4.15 DS30.1
NetDS21_3: DS21.3 DS31.1 | length 24.7
  Top Layer w0.5: DS21.3 128.51,42.4 127.8,41.69 127.8,30 132.793,25.007 132.793,23.703 131.89,22.8 DS31.1
NetDS22_3: DS22.3 DS32.1 | length 24.7
  Top Layer w0.5: DS22.3 147.11,42.4 146.4,41.69 146.4,30 151.393,25.007 151.393,23.703 150.49,22.8 DS32.1
NetDS23_3: DS23.3 DS33.1 | length 24.7
  Top Layer w0.5: DS23.3 165.71,42.4 165,41.69 165,30 169.993,25.007 169.993,23.703 169.09,22.8 DS33.1
NetDS30_3: DS30.3 DS40.1 | length 21.6
  Top Layer w0.5: DS30.3 55.35,5.25 55.35,5.607 55.643,5.9 61.4,5.9 63.8,3.5 74.557,3.5 74.85,3.793 74.85,4.15 DS40.1
NetDS31_3: DS31.3 DS41.1 | length 24.7
  Top Layer w0.5: DS31.3 128.51,23.8 127.8,23.09 127.8,11.4 132.793,6.407 132.793,5.103 131.89,4.2 DS41.1
NetDS32_3: DS32.3 DS42.1 | length 24.7
  Top Layer w0.5: DS32.3 147.11,23.8 146.4,23.09 146.4,11.4 151.393,6.407 151.393,5.103 150.49,4.2 DS42.1
NetDS33_3: DS33.3 DS43.1 | length 24.7
  Top Layer w0.5: DS33.3 165.71,23.8 165,23.09 165,11.4 169.993,6.407 169.993,5.103 169.09,4.2 DS43.1
NetDS43_3: DS43.3 TP11.1 | length 12.1
  Top Layer w0.5: v1(165.7,5.2) DS43.3
  Bottom Layer w0.5: v1(165.7,5.2) 167,6.5 171,6.5 173.5,9 TP11.1
NetMOD1_24: MOD1.24 TP1.1 | length 3.4
  Top Layer w0.5: MOD1.24 83.92,78.92 TP1.1
PRIMARY: C1.2 MOD1.9 R3.1 | length 8.6
  Bottom Layer w0.5: R3.1 C1.2 62.1,59.4 65.682,59.4 66.482,58.6 MOD1.9
RESET: MOD1.22 TP6.1 U1.3 | length 68.1
  Top Layer w0.3: MOD1.22 85.132,76.952 89.452,76.952 TP6.1
  Bottom Layer w0.3: U1.3 37.225,59.725 38.5,61 38.5,63.342 46.093,70.935 48.089,70.935 48.464,70.56 64.484,70.56 66.324,72.4 67.236,72.4 69.076,70.56 78.245,70.56 81.276,73.591 81.771,73.591 MOD1.22
ROW0: D1.K D6.K MOD1.16 | length 76.4
  Bottom Layer w0.5: MOD1.16 101.775,58.6 101.924,58.45 112.25,58.45 120,66.2 D1.K D6.K
ROW1: D2.K D7.K MOD1.14 | length 75.1
  Bottom Layer w0.5: MOD1.14 86.665,48.875 129.387,48.875 129.662,48.6 149.338,48.6 149.613,48.875 D7.K
ROW2: D3.K D8.K MOD1.15 | length 100.3
  Top Layer w0.5: v1(111.2,56) 111.2,55.973 111.25,55.923 v1(111.25,28.75)
  Bottom Layer w0.5: MOD1.15 82.08,56 v1(111.2,56) ; v1(111.25,28.75) 111.269,28.769 119.975,28.769 120,28.794 D3.K D8.K
ROW3: D4.K D9.K MOD1.11 | length 138.2
  Top Layer w0.5: v1(110.25,57.25) 110.25,57.223 110.5,56.973 v1(110.5,8.75)
  Bottom Layer w0.5: MOD1.11 76.77,53.52 80.51,57.26 110.24,57.26 v1(110.25,57.25) ; v1(110.5,8.75) 110.519,8.769 119.975,8.769 120,8.794 D4.K D9.K
ROW4: D5.K D10.K MOD1.12 | length 151.4
  Top Layer w0.5: v1(109.5,54.5) 109.5,54.473 109.75,54.223 v1(109.75,-6.25)
  Bottom Layer w0.5: MOD1.12 76.538,50.98 80.278,54.72 109.253,54.72 109.473,54.5 v1(109.5,54.5) ; v1(109.75,-6.25) 109.777,-6.25 109.902,-6.125 128.587,-6.125 129.662,-7.2 149.338,-7.2 150.413,-6.125 D10.K
SCL0: MOD2.3 U1.5 | length 71.7
  Top Layer w0.2: v1(29.389,26.111) 29.389,27.916 27.4,29.905 27.4,56.4 v1(30.5,59.5)
  Bottom Layer w0.2: MOD2.3 4.27,24.5 27.778,24.5 v1(29.389,26.111) ; v1(30.5,59.5) 32.025,61.025 U1.5
SCL1: MOD3.3 U1.7 | length 52
  Top Layer w0.2: v1(27.883,26.822) 27.883,28.432 26.7,29.615 26.7,58.7 v1(29,61)
  Bottom Layer w0.2: MOD3.3 21.12,26.25 27.265,26.25 27.838,26.822 v1(27.883,26.822) ; v1(29,61) 30.325,62.325 U1.7
SCL2: MOD4.3 U1.9 | length 57.6
  Top Layer w0.2: v1(26.556,27.694) 26,28.25 26,61 v1(27.5,62.5)
  Bottom Layer w0.2: v1(26.556,27.694) 26.632,27.771 26.87,27.771 26.873,27.773 27.946,27.773 28.955,28.782 37.188,28.782 MOD4.3 ; v1(27.5,62.5) 28.625,63.625 U1.9
SCL3: MOD5.3 U1.11 | length 81.6
  Top Layer w0.2: v1(24.5,27.972) 25.3,28.772 25.3,63.3 v1(26,64)
  Bottom Layer w0.2: v1(24.5,27.972) 25.05,27.422 25.506,27.422 25.828,27.744 27.566,29.482 55.088,29.482 MOD5.3 ; v1(26,64) 26.925,64.925 U1.11
SCL4: MOD6.3 U1.14 | length 75
  Top Layer w0.2: v1(43.5,65) 44.75,63.75 v1(44.75,24.5)
  Bottom Layer w0.2: U1.14 41.988,64.962 43.462,64.962 v1(43.5,65) ; v1(44.75,24.5) 45,24.25 72.42,24.25 MOD6.3
SCL5: TP7.1 U1.16 | length 7.2
  Bottom Layer w0.3: U1.16 43.625,63.625 TP7.1
SCL6: TP9.1 U1.18 | length 5.6
  Bottom Layer w0.3: U1.18 44.681,62.325 44.856,62.5 TP9.1
SCL7: MOD7.3 U1.20 | length 68.1
  Bottom Layer w0.2: U1.20 50.285,61.025 59.07,69.81 78.556,69.81 81.157,72.411 82.611,72.411 85.75,75.55 102.42,75.55 MOD7.3
SDA0: MOD2.4 U1.4 | length 67.6
  Top Layer w0.2: v1(30.3,27.5) 27.75,30.05 27.75,55.25 v1(31.25,58.75)
  Bottom Layer w0.2: MOD2.4 6.06,25.25 27.75,25.25 29.443,26.943 29.743,26.943 v1(30.3,27.5) ; v1(31.25,58.75) 32.875,60.375 U1.4
SDA1: MOD3.4 U1.6 | length 48
  Top Layer w0.2: v1(28.45,27.5) 28.45,28.36 27.05,29.76 27.05,57.55 v1(29.75,60.25)
  Bottom Layer w0.2: MOD3.4 23.113,26.797 27.035,26.797 27.661,27.423 28.373,27.423 v1(28.45,27.5) ; v1(29.75,60.25) 31.175,61.675 U1.6
SDA2: MOD4.4 U1.8 | length 57.7
  Top Layer w0.2: v1(27.185,28.323) 27.182,28.323 26.35,29.156 26.35,59.85 v1(28.25,61.75)
  Bottom Layer w0.2: v1(27.185,28.323) 27.245,28.383 27.883,28.383 28.632,29.132 39.378,29.132 MOD4.4 ; v1(28.25,61.75) 29.475,62.975 U1.8
SDA3: MOD5.4 U1.10 | length 81.7
  Top Layer w0.2: v1(25.278,27.972) 25.278,28.076 25.65,28.449 25.65,62.15 v1(26.75,63.25)
  Bottom Layer w0.2: v1(25.278,27.972) 25.278,28.028 27.082,29.832 57.278,29.832 MOD5.4 ; v1(26.75,63.25) 27.775,64.275 U1.10
SDA4: MOD6.4 U1.13 | length 80
  Top Layer w0.2: v1(43.25,65.75) 43.25,65.642 42.95,65.342 42.95,44.943 44,43.893 v1(44,23.5)
  Bottom Layer w0.2: U1.13 42.967,65.575 43.142,65.75 v1(43.25,65.75) ; v1(44,23.5) 74.21,23.5 MOD6.4
SDA5: TP8.1 U1.15 | length 9
  Bottom Layer w0.3: U1.15 41.96,64.285 43.648,64.285 46.565,67.201 46.565,69.065 TP8.1
SDA6: TP10.1 U1.17 | length 6.4
  Bottom Layer w0.3: U1.17 43.844,62.975 45.869,65 TP10.1
SDA7: MOD7.4 U1.19 | length 70.7
  Bottom Layer w0.2: U1.19 45.174,61.675 45.234,61.615 50.38,61.615 58.925,70.16 78.411,70.16 81.041,72.79 82.495,72.79 85.605,75.9 104.61,75.9 MOD7.4
SLIDER_0: C23.2 MOD1.17 R5.1 | length 8.5
  Bottom Layer w0.5: MOD1.17 83.28,62.4 86.9,62.4 C23.2 R5.1
SLIDER_1: C24.2 MOD1.18 R6.1 | length 8.5
  Bottom Layer w0.5: MOD1.18 83.24,64.9 86.9,64.9 C24.2 R6.1
SLIDER_2: C25.2 MOD1.19 R7.1 | length 8.5
  Bottom Layer w0.5: MOD1.19 82.318,66.22 83.208,67.11 84.12,67.11 84.41,67.4 86.9,67.4 C25.2 R7.1
SLIDER_3: C26.2 MOD1.20 R8.1 | length 8.5
  Bottom Layer w0.5: MOD1.20 82.286,68.76 83.426,69.9 86.9,69.9 C26.2 R8.1
SLIDER_4: C27.2 MOD1.7 R9.1 | length 8.6
  Bottom Layer w0.5: R9.1 C27.2 62.1,64.4 65.762,64.4 66.482,63.68 MOD1.7
pads on no net: B1.0 B2.0 B3.0 B4.0 B5.0 B6.0 FID1.0 FID2.0 FID3.0 FID4.0 FID5.0 FID6.0 S00.0 S01.0 S02.0 S03.0 S10.0 S11.0 S12.0 S13.0 S20.0 S21.0 S22.0 S23.0 S30.0 S31.0 S32.0 S33.0 S40.0 S41.0 S42.0 S43.0

## Polygon pours and split planes (outlines as drawn)
GND on Top Layer "NONET_L02_P-001" (solid, remove dead copper, pour order 0): -11,-11.5 -11,85.5 178.5,85.5 178.5,-11.5
+5V0 on Bottom Layer "NONET_L02_P-001" (solid, remove dead copper, pour order 1): -10.969,-11.5 -10.969,85.5 178.531,85.5 178.531,-11.5

## Silkscreen, mask and mechanical layers (free items; w line width, h text height)
Mechanical 1:
  the board outline again, w0.2